# Altium PCB C210.PcbDoc (part 6 of 8)
Units mm, origin at the board's own origin, x right, y up, seen from the top; angles counter-clockwise.
Board outline 68 x 129.25 mm, 6 copper layers (L1, L2, L3, L4, L5, L6), stack 1.547 mm thick; 512 components, 298 nets, 1774 pads, 1892 vias.
Unrouted connection lines stored in the file: 306.
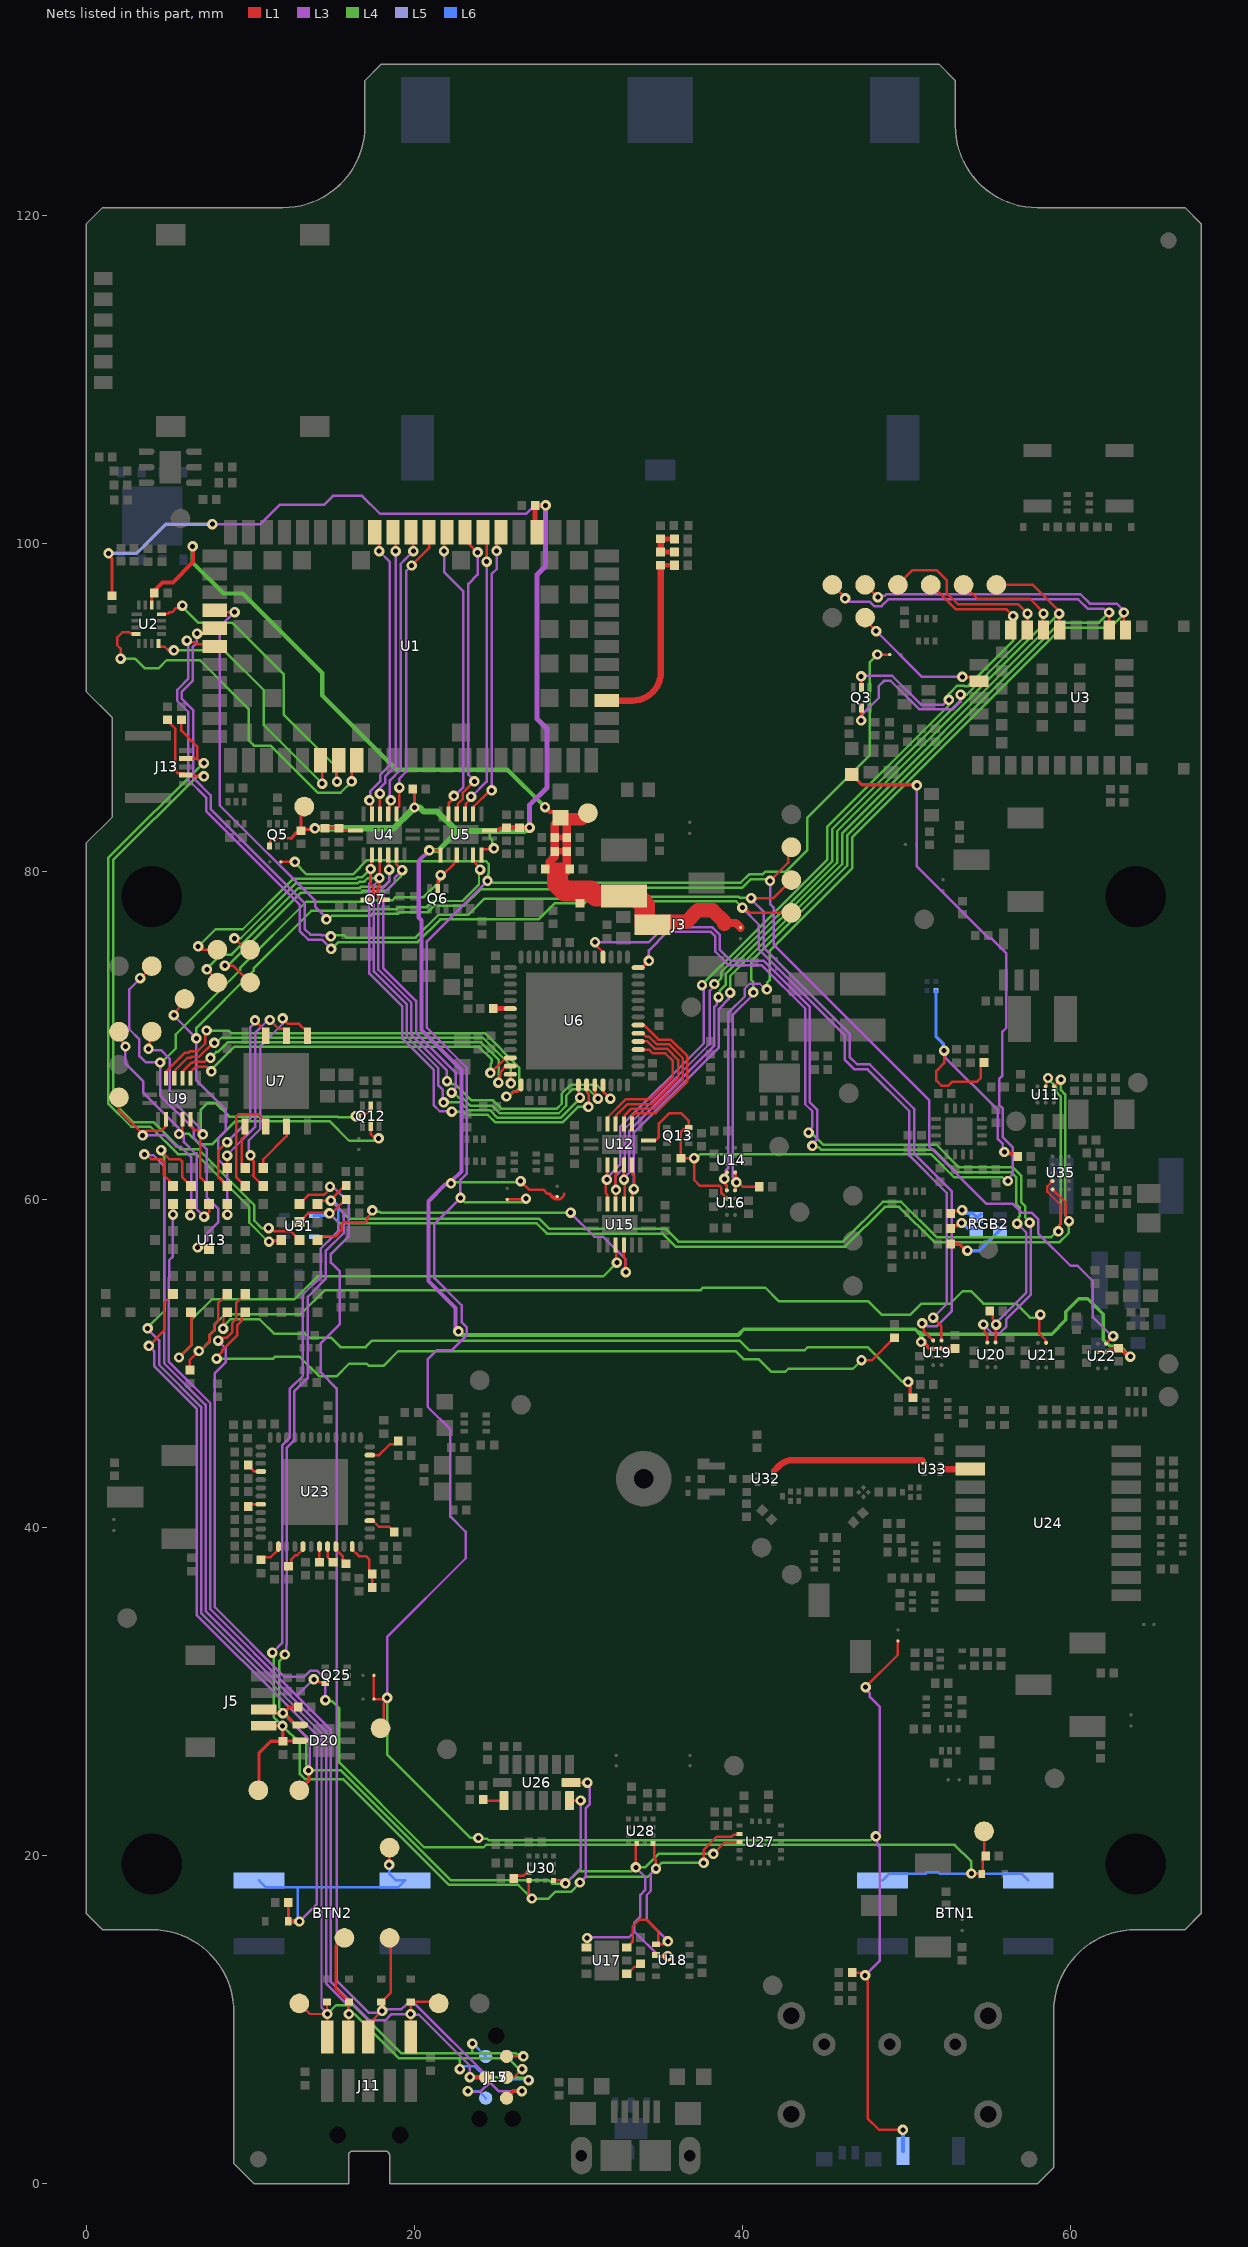
[diagram p10: the nets of this part, all layers, seen from the top]

## Via types
v1: diameter 0.635, hole 0.305, L1 to L6, tented both sides, 1892 vias

## Nets (pads, with @x,y where several pads share a name; then routed paths per layer and width w, separated by ;. In a path a pad name is that pad's centre, name@x,y a point inside that pad or via, vN(x,y) a via of type N, cw(c..) or ccw(c..) an arc to the next point about the centre after c; other vN are vias at no path point) (continued)
NetR62_2: R62.2 RGB2.1 | length 2.2
  L1 w0.203: R62.2@52.719,59.175 52.869,59.325 53.362,59.325 v1(53.412,59.375)
  L6 w0.203: v1(53.412,59.375) 53.612,59.175 54.06,59.175 54.31,58.925 54.371,58.925 RGB2.1@54.563,59.117
NetR64_2: R64.2 RGB2.2 | length 2.2
  L1 w0.203: R64.2@52.719,58.26 52.884,58.425 53.358,58.425 53.451,58.518 v1(53.38,58.588)
  L6 w0.203: v1(53.38,58.588) 53.428,58.588 53.758,58.258 RGB2.2@54.554,58.258
NetR66_2: R66.2 RGB2.3 | length 3.7
  L1 w0.203: R66.2@52.719,57.295 53.283,57.295 53.674,56.904 v1(53.734,56.904)
  L6 w0.203: v1(53.734,56.904) 54.454,56.904 RGB2.3@55.762,58.212
NetR67_1: R67.1 U13.E9 | length 47.6
  L1 w0.152: v1(7.96,50.315) 7.96,50.394 8.307,50.741 8.307,50.849 9.225,51.767 9.225,52.365 9.476,52.616 9.476,52.926 U13.E9@9.7,53.15 ; v1(47.279,50.221) 47.906,50.221 49.285,51.6 R67.1@49.3,51.6
  L4 w0.152: v1(7.96,50.315) 11.404,50.315 11.514,50.425 12.75,50.425 13.025,50.425 14.22,49.23 15.255,49.23 16.042,50.017 17.103,50.017 17.241,49.879 18.129,49.879 19.032,50.782 39.597,50.782 40.105,50.274 41.022,50.274 41.784,49.512 42.621,49.512 42.81,49.701 46.758,49.701 v1(47.279,50.221)
NetR69_2: R69.2 U6.46 U20.A2 | length 51.4
  L1 w0.152: v1(31.03,75.711) 31.03,75.581 31.514,75.098 U6.46@31.514,74.808 ; R69.2@55.103,53.225 55.287,53.041 55.287,52.715 55.485,52.517 v1(55.485,52.386) 55.467,52.368 55.467,51.317 U20.A2@55.45,51.3
  L3 w0.152: v1(31.03,75.711) 34.309,75.711 35.228,76.63 38.174,76.63 38.643,76.162 38.643,75.241 39.309,74.575 41.324,74.575 44.128,71.772 44.128,65.947 44.57,65.505 44.57,63.686 44.279,63.396 v1(44.279,63.291) ; v1(55.485,52.386) 55.485,52.503 57.33,54.348 57.33,57.994 56.769,58.555 v1(56.766,58.555)
  L4 w0.152: v1(44.279,63.291) 44.372,63.199 44.686,63.199 44.835,63.05 51.688,63.05 53.044,61.694 56.393,61.694 56.725,61.361 56.725,59.733 56.913,59.546 56.913,59.002 56.858,58.948 56.858,58.648 v1(56.766,58.555)
NetR73_1: R73.1 U23.33 | length 1.2
  L1 w0.152: U23.33@15.225,38.862 15.225,38.687 15.656,38.256 15.656,38.093 15.84,37.909 R73.1@15.855,37.909
NetR74_2: R74.2 U6.6 | length 1
  L1 w0.305: R74.2@24.835,71.658 U6.6@25.864,71.658
NetR77_1: R77.1 U17.4 | length 1.1
  L1 w0.152: U17.4@32.964,12.813 33.014,12.813 33.442,13.241 33.619,13.241 R77.1@33.803,13.425
NetR83_2: R83.2 U13.F9 | length 46.4
  L1 w0.152: v1(8.351,52.142) 8.376,52.167 8.376,52.926 U13.F9@8.6,53.15
  L1 w0.203: v1(50.125,48.9) 50.25,48.775 50.25,48.079 50.263,48.079 R83.2@50.413,47.929
  L4 w0.152: v1(8.351,52.142) 8.351,52.272 8.8,52.721 10.579,52.721 11.457,51.843 13.331,51.843 13.578,51.596 14.927,51.596 15.499,51.024 17.042,51.024 17.43,51.412 39.851,51.412 40.43,50.833 43.816,50.833 44.004,51.022 47.653,51.022 49.775,48.9 v1(50.125,48.9)
NetR87_1: R87.1 R92.1 RT2.1 | length 18.6
  L1 w0.152: v1(52.318,69.095) 52.319,68.343 51.84,67.865 51.84,67.27 52.142,66.968 52.58,66.968 52.818,67.206 54.328,67.206 54.551,67.429 54.551,68.187 54.735,68.371 R87.1@54.75,68.371
  L1 w0.203: v1(55.993,62.917) 56.11,62.917 56.222,62.804 56.651,62.804 56.653,62.803 56.653,62.797 R92.1@56.81,62.64
  L3 w0.152: v1(52.318,69.095) 52.382,69.032 52.382,68.69 55.597,65.475 55.597,63.703 55.9,63.4 55.9,63.01 v1(55.993,62.917)
  L6 w0.203: RT2.1@51.825,72.775 51.825,69.947 52.261,69.511 52.261,69.152 v1(52.318,69.095)
NetR89_2: R89.2 U23.47 | length 2.1
  L1 w0.152: U23.47@17.3,44.437 17.862,44.437 18.523,45.098 18.855,45.098 19.039,45.282 R89.2@19.039,45.297
NetR91_1: R91.1 U23.16 | length 0.9
  L1 w0.152: R91.1@9.875,43.825 9.875,43.81 10.22,43.465 10.622,43.465 U23.16@10.65,43.437
NetR94_2: R94.2 U23.20 | length 0.8
  L1 w0.15: R94.2@9.875,41.35 9.962,41.437 U23.20@10.65,41.437
NetR95_2: R95.2 U23.29 | length 1.6
  L1 w0.152: R95.2@12.338,37.657 12.495,37.813 12.495,38.053 12.775,38.334 12.871,38.334 13.225,38.688 U23.29@13.225,38.862
NetR99_2: R99.2 U23.26 | length 1.6
  L1 w0.152: R99.2@10.61,38.044 10.784,38.217 11.255,38.217 11.725,38.687 U23.26@11.725,38.862
NetR100_2: R100.2 R101.1 U23.35 | length 3.3
  L1 w0.152: U23.35@16.225,38.862 16.225,38.688 16.633,38.28 17.068,38.28 17.277,38.07 17.277,37.377 R100.2@17.458,37.196 ; R100.2@17.44,37.178 17.447,37.171 R101.1@17.447,36.355
NetR102_2: R102.2 U23.39 | length 1.8
  L1 w0.152: U23.39@17.3,40.437 17.475,40.437 17.84,40.072 18.466,40.072 18.789,39.749 R102.2@18.789,39.734
NetR106_1: R106.1 U23.31 | length 1
  L1 w0.152: R106.1@14.225,37.9 U23.31@14.225,38.862
NetR110_1: R110.1 U23.32 | length 1.1
  L1 w0.152: U23.32@14.725,38.862 14.725,38.212 15.028,37.909 R110.1@15.043,37.909
NetR111_1: R111.1 U26.8 | length 1
  L1 w0.152: R111.1@24.433,23.375 24.438,23.37 U26.8@25.475,23.37
NetR114_1: R114.1 U30.12 | length 1.1
  L1 w0.152: R114.1@26.075,18.625 26.25,18.8 26.675,18.8 26.875,19 U30.12@27,19
NetTP9_1: TP9.1 U3.27 | length 8.7
  L1 w0.152: TP9.1@47.5,95.5 47.5,95.35 v1(48.175,94.675) ; v1(53.425,91.892) 53.425,91.875 54.2,91.875 U3.27@54.45,91.625
  L3 w0.152: v1(48.175,94.675) 50.958,91.892 v1(53.425,91.892)
NetTP13_1: TP13.1 U1.26 U19.D2 | length 88.5
  L1 w0.152: v1(6.77,94.526) 7.526,94.526 U1.26@7.85,94.85 ; v1(40.55,78.4) 41.9,78.4 TP13.1@43,79.5 ; v1(50.973,52.468) 51.066,52.376 51.066,52.009 U19.D2@51.65,51.425
  L3 w0.152: v1(6.77,94.526) 6.748,94.504 6.748,93.952 6.496,93.7 6.496,91.644 5.836,90.984 5.836,90.55 6.54,89.845 6.54,85.722 7.591,84.671 7.591,83.824 13.343,78.072 13.343,76.496 13.669,76.17 14.299,76.17 14.325,76.144 14.838,76.144 v1(14.921,76.06) ; v1(40.55,78.4) 40.55,78.331 41.33,77.551 41.33,75.36 46.555,70.135 46.555,68.72 47.007,68.268 47.769,68.268 50.481,65.556 50.481,62.818 52.795,60.504 52.795,53.225 51.85,52.28 51.724,52.28 ; v1(50.973,52.468) 51.104,52.468 51.291,52.281 51.723,52.281
  L4 w0.152: v1(14.921,76.06) 15.009,76.148 15.721,76.148 15.873,75.996 20.093,75.996 21.482,77.385 23.31,77.385 24.299,78.374 30.278,78.374 30.387,78.484 39.8,78.484 39.854,78.43 40.52,78.43 v1(40.55,78.4)
NetTP14_1: TP14.1 U1.27 U19.D1 | length 87.7
  L1 w0.152: v1(6.138,94.1) 6.231,94.008 6.628,94.008 6.761,93.875 7.225,93.875 7.6,93.5 U1.27@7.85,93.75 ; v1(40.016,77.821) 40.146,77.821 40.467,77.5 TP14.1@43,77.5 ; v1(51.651,52.817) 52.15,52.318 U19.D1@52.15,51.425
  L3 w0.152: v1(6.138,94.1) 6.217,94.022 6.217,91.76 5.556,91.1 5.556,90.434 6.227,89.764 6.227,85.616 7.312,84.531 7.312,83.708 13.038,77.982 13.038,76.37 13.543,75.865 14.381,75.865 14.936,75.31 v1(14.936,75.299) ; v1(40.016,77.821) 40.016,77.784 41.025,76.775 41.025,75.269 46.25,70.044 46.25,68.57 46.86,67.961 47.645,67.961 50.202,65.404 50.202,62.702 52.476,60.428 52.476,53.642 v1(51.651,52.817)
  L4 w0.152: v1(14.936,75.299) 14.959,75.299 15.376,75.716 20.209,75.716 21.598,77.105 23.403,77.105 23.404,77.107 27.592,77.107 28.58,78.095 30.393,78.095 30.503,78.204 39.633,78.204 v1(40.016,77.821)
NetTP20_1: TP20.1 U4.5 U6.25 | length 44.1
  L1 w0.152: v1(7.358,74.05) 7.837,73.571 8,73.571 TP20.1@8,73.25 ; U4.5@18.422,81.025 18.449,80.999 18.449,80.154 v1(18.475,80.128) ; U6.25@31.514,67.008 31.542,66.979 31.542,66.588 v1(31.965,66.165)
  L3 w0.152: v1(18.475,80.128) 18.475,79.423 17.825,78.774 17.825,74.031 19.838,72.019 19.838,70.061 22.002,67.898 v1(22.002,67.244)
  L4 w0.152: v1(7.358,74.05) 7.358,74.1 8.212,74.954 8.874,74.954 12.932,79.012 16.67,79.012 16.76,79.102 18.182,79.102 18.475,79.395 v1(18.475,80.128) ; v1(22.002,67.244) 22.132,67.244 22.322,67.054 22.5,67.054 23.486,66.068 24.814,66.068 25.324,65.558 28.699,65.558 29,65.858 29,66.475 29.553,67.028 31.102,67.028 v1(31.965,66.165)
NetTP21_1: TP21.1 U4.6 U6.24 | length 44.1
  L1 w0.15: v1(8.457,74.283) 8.967,74.283 TP21.1@10,73.25 ; U6.24@31.014,67.008 31.042,66.979 31.042,66.457 31.203,66.296 v1(31.203,66.165)
  L1 w0.152: U4.6@18.922,81.025 18.922,80.453 v1(19.275,80.1)
  L3 w0.15: v1(19.275,80.1) 18.805,79.63 18.805,79.36 18.104,78.658 18.104,74.146 20.116,72.134 20.116,70.177 22.551,67.742 22.551,66.857 22.284,66.59 v1(22.284,66.533)
  L4 w0.15: v1(8.457,74.283) 8.457,74.35 8.721,74.35 13.104,78.734 16.785,78.734 16.875,78.824 18.297,78.824 19.187,79.713 19.187,80.012 v1(19.275,80.1) ; v1(22.284,66.533) 22.415,66.533 22.726,66.223 22.937,66.223 23.413,65.747 24.741,65.747 25.209,65.279 28.815,65.279 29.278,65.743 29.278,66.36 29.668,66.75 30.618,66.75 v1(31.203,66.165)
NetTP54_1: TP54.1 U1.25 U22.D1 | length 92.5
  L1 w0.15: U1.25@7.85,95.95 7.96,95.84 v1(9.056,95.84)
  L1 w0.152: v1@41.725,79.425 41.725,79.479 42.8,80.553 42.8,81.3 TP54.1@43,81.5 ; U22.D1@62.188,51.225 62.188,51.241 62.623,51.676 v1(62.623,51.693)
  L3 w0.152: v1(9.056,95.84) 9.04,95.84 8.15,94.95 8.15,84.056 13.964,78.242 13.964,77.876 14.65,77.189 v1(14.65,77.099) ; v1(41.7,79.454) 41.7,78.043 41.939,77.804 41.939,75.54 51.421,66.059 51.421,63.24 54.908,59.753 56.513,59.753 57.055,59.21 57.663,59.21 58.047,58.826 58.047,57.96 60.027,55.98 60.455,55.98 61.376,55.058 61.376,52.854 62.538,51.693 v1(62.623,51.693)
  L4 w0.152: v1(14.65,77.099) 14.754,77.099 14.981,77.325 17.347,77.325 17.453,77.43 19.03,77.43 19.143,77.543 20.85,77.543 21.251,77.944 23.055,77.944 24.045,78.933 30.046,78.933 30.156,79.043 40.013,79.043 40.533,79.563 41.269,79.563 41.286,79.546 41.608,79.546 v1(41.7,79.454)
NetU1_6: U1.6 U5.3 | length 18
  L1 w0.152: U5.3@23.597,83.525 23.646,83.574 23.646,83.999 24.618,84.971 v1(24.73,84.971) ; v1(25.025,99.575) 25.025,100.425 U1.6@25.3,100.7
  L3 w0.152: v1@24.73,84.955 24.73,98.158 25.025,98.453 v1(25.025,99.575)
NetU1_7: U1.7 U5.4 | length 17.8
  L1 w0.15: U1.7@24.2,100.7 24.424,100.476 v1(24.424,98.916)
  L1 w0.152: U5.4@23.097,83.525 23.146,83.574 23.146,84.146 23.473,84.473 v1(23.473,84.591)
  L3 w0.15: v1(23.473,84.591) 23.514,84.591 24.424,85.501 v1(24.424,98.916)
NetU1_8: U1.8 U5.5 | length 18.4
  L1 w0.152: U5.5@22.597,83.525 22.646,83.574 22.646,84.121 22.953,84.428 22.953,84.806 v1@23.66,85.514 ; U1.8@23.1,100.7 23.1,100.242 23.867,99.475 v1(23.87,99.475) ; v1@23.55,85.514 v1@23.66,85.514 ; v1(23.675,85.514) v1@23.66,85.514
  L3 w0.152: v1(23.675,85.514) 23.675,85.554 23.309,85.92 23.309,97.562 23.87,98.123 v1(23.87,99.475)
NetU1_9: U1.9 U5.6 | length 18.2
  L1 w0.152: v1(21.822,99.55) 21.822,100.522 U1.9@22,100.7 ; U5.6@22.097,83.525 22.123,83.551 22.123,84.204 22.419,84.5 v1(22.419,84.631)
  L3 w0.152: v1(21.822,99.55) 21.822,98.275 23.004,97.093 23.004,85.176 v1@22.419,84.591
NetU1_10: U1.10 U4.11 | length 18
  L1 w0.15: v1(19.85,98.678) 20.911,99.738 20.911,100.689 U1.10@20.9,100.7
  L1 w0.152: U4.11@18.922,83.525 18.922,83.85 19.099,84.027 v1(19.097,85.137) v1(19.097,85.137)
  L3 w0.15: v1(19.097,85.137) 19.097,85.684 19.522,86.109 19.522,98.35 v1(19.85,98.678)
NetU1_11: U1.11 U4.12 | length 17.9
  L1 w0.152: U4.12@18.422,83.525 18.471,83.574 18.471,84.125 18.578,84.232 v1(18.578,84.362) ; U1.11@19.8,100.7 19.947,100.553 v1(19.947,99.55)
  L3 w0.152: v1(18.578,84.362) 18.522,84.418 18.522,85.572 19.182,86.232 19.182,98.784 19.419,99.021 v1(19.947,99.55)
NetU1_12: U1.12 U4.13 | length 17.6
  L1 w0.152: v1(17.912,84.768) 17.917,84.763 17.917,83.53 U4.13@17.922,83.525 ; U1.12@18.7,100.7 18.872,100.528 v1(18.872,99.55)
  L3 w0.152: v1(17.912,84.768) 17.912,85.109 18.231,85.428 18.231,85.823 18.872,86.465 v1(18.872,99.55)
NetU1_13: U1.13 U4.14 | length 18.1
  L1 w0.152: v1(17.267,84.362) 17.267,84.231 17.373,84.124 17.373,83.574 U4.14@17.422,83.525 ; U1.13@17.6,100.7 17.872,100.428 v1(17.872,99.55)
  L3 w0.152: v1(17.267,84.362) 17.315,84.41 17.315,84.908 17.941,85.533 17.941,85.928 18.522,86.51 18.522,98.9 v1(17.872,99.55)
NetU1_56: U1.56 Z4.2 Z6.1 | length 12.1
  L1 w0.3: Z4.2@35.047,98.695 Z6.1@35.875,98.695
  L1 w0.391: U1.56@31.3,90.436 33.298,90.436 ccw(c33.298,92.185) 35.047,92.185 Z4.2@35.047,98.695
NetU6_12: U6.12 U9.3 | length 22.5
  L1 w0.152: U9.3@6.375,67.408 6.375,67.806 6.521,67.953 6.679,68.11 7.358,68.11 v1(7.637,67.831) ; v1(24.646,67.738) 24.669,67.738 25.589,68.658 U6.12@25.864,68.658
  L4 w0.152: v1(7.637,67.831) 7.637,67.936 9.026,69.325 23.965,69.325 24.741,68.549 24.741,68.362 24.664,68.286 24.664,67.756 v1(24.646,67.738)
NetU6_13: U6.13 U9.4 | length 23.7
  L1 w0.152: U9.4@5.875,67.408 5.875,67.825 6.413,68.363 6.5,68.363 6.552,68.415 7.213,68.415 7.453,68.656 v1(7.584,68.656) ; v1(25.139,67.147) 25.231,67.239 25.231,67.588 25.26,67.618 25.26,67.804 ; 25.261,67.805 25.614,68.158 U6.13@25.864,68.158
  L4 w0.152: v1(7.584,68.656) 7.584,68.662 7.942,69.019 8.04,69.019 8.625,69.604 24.08,69.604 25.166,68.518 25.166,67.175 v1(25.139,67.147)
NetU6_14: U6.14 U9.5 | length 24.2
  L1 w0.15: U6.14@25.864,67.658 25.899,67.622 v1(25.899,67.1)
  L1 w0.152: U9.5@5.375,67.408 5.375,67.847 6.195,68.668 6.374,68.668 6.432,68.725 6.881,68.725 7.725,69.569 v1(7.817,69.569)
  L4 w0.152: v1(7.817,69.569) 7.948,69.569 8.263,69.884 24.196,69.884 25.903,68.177 25.903,67.104 v1(25.899,67.1)
NetU6_15: U6.15 U9.6 | length 27.9
  L1 w0.152: U9.6@4.875,67.408 4.875,67.818 6.03,68.972 6.248,68.972 6.326,69.05 6.775,69.05 7.271,69.546 7.271,70.229 7.262,70.238 v1(7.351,70.327) ; v1(25.622,66.304) 25.753,66.304 26.032,66.583 26.118,66.583 26.134,66.599 26.315,66.599 26.514,66.798 U6.15@26.514,67.008
  L4 w0.152: v1(7.351,70.327) 7.36,70.319 8.695,70.319 8.85,70.163 24.312,70.163 26.423,68.052 26.423,66.825 26.182,66.583 26.032,66.583 25.753,66.304 v1(25.622,66.304)
NetU6_32: U6.32 U12.14 | length 8.8
  L1 w0.152: U12.14@31.786,64.631 31.835,64.679 31.835,65.065 32.892,66.122 34.388,66.122 35.774,67.508 35.774,68.46 35.297,68.937 34.547,68.937 34.326,69.158 U6.32@33.664,69.158
NetU6_33: U6.33 U12.13 | length 9.3
  L1 w0.152: U12.13@32.286,64.631 32.335,64.679 32.335,65.17 33.008,65.843 34.503,65.843 36.098,67.437 36.098,68.531 35.412,69.216 34.662,69.216 34.221,69.658 U6.33@33.664,69.658
NetU6_34: U6.34 U12.12 | length 9.6
  L1 w0.152: U12.12@32.786,64.631 32.835,64.679 32.835,65.149 33.249,65.563 34.619,65.563 36.377,67.321 36.377,68.647 35.528,69.496 34.778,69.496 34.337,69.937 34.174,69.937 33.954,70.158 U6.34@33.664,70.158
NetU6_35: U6.35 U12.11 | length 10
  L1 w0.152: U12.11@33.286,64.631 33.335,64.679 33.335,65.15 33.469,65.284 34.735,65.284 36.656,67.206 36.656,68.763 35.644,69.775 34.894,69.775 34.04,70.629 33.692,70.629 U6.35@33.664,70.658
NetU6_42: U6.42 U20.A1 | length 48.9
  L1 w0.152: U6.42@33.664,74.158 33.893,74.158 v1(34.31,74.575) ; v1(54.713,52.399) 54.806,52.307 54.806,51.921 54.95,51.777 U20.A1@54.95,51.3
  L3 w0.152: v1(34.31,74.575) 34.31,75.215 35.446,76.351 38.059,76.351 38.364,76.046 38.364,75.125 39.193,74.296 41.209,74.296 43.848,71.656 43.848,65.831 44.278,65.402 44.278,64.439 44.049,64.21 v1(44.049,64.1) ; v1(54.713,52.399) 55.247,51.865 55.701,51.865 56.09,52.254 56.09,52.712 57.61,54.232 57.61,58.524 v1(57.526,58.608)
  L4 w0.152: v1(44.049,64.1) 44.18,64.1 44.334,63.945 44.362,63.945 44.938,63.369 51.833,63.369 53.229,61.973 56.508,61.973 57.004,61.477 57.004,60.391 57.004,59.868 57.25,59.622 57.25,58.938 57.526,58.662 v1(57.526,58.608)
NetU24_11: U24.11 U33.5 | length 1.8
  L1 w0.152: U33.5@52.064,43.583 52.468,43.583
  L1 w0.391: 52.468,43.583 U24.11@53.91,43.583
NetU32_3: U32.3 U33.1 | length 9.3
  L1 w0.391: 41.95,43.475 42.277,43.802 cw(c43.057,43.021) 43.057,44.125 50.95,44.125 cw(c50.95,44.05) 51.025,44.05
NetZ1_1: Z1.1 Z3.2 Z4.1 Z5.1 | length 2.5
  L1 w0.305: Z4.1@35.047,99.505 Z5.1@35.875,99.505 ; Z1.1@35.047,100.3 Z3.2@35.875,100.3
  L1 w0.391: Z4.1@35.047,99.505 Z1.1@35.047,100.3
NFC1: C134.2 J13.2 U13.C5 | length 41.9
  L1 w0.152: C134.2@5.803,89.275 5.803,88.609 6.767,87.645 6.767,86.9 ; J13.2@6.1,86.9 6.767,86.9 ; v1(7.176,86.622) 7.045,86.622 6.767,86.9
  L1 w0.203: v1(11.15,57.446) 11.202,57.498 11.702,57.498 11.754,57.446 11.754,57.404 U13.C5@11.9,57.55
  L4 w0.152: v1@7.149,86.649 1.345,80.845 1.345,65.865 2.753,64.458 3.921,64.458 5.592,62.787 6.717,62.787 9.945,59.559 9.945,58.608 11.107,57.446 v1(11.15,57.446)
NFC2: C133.1 J13.4 U13.B5 | length 43
  L1 w0.152: C133.1@4.975,89.275 4.99,89.275 5.173,89.091 5.173,88.994 5.441,88.726 5.441,86.172 5.614,85.999 6.001,85.999 6.138,85.862 7.137,85.862 v1(7.176,85.823) ; v1(11.126,58.279) 11.256,58.279 11.435,58.1 12.45,58.1 U13.B5@13,57.55
  L4 w0.152: v1(7.176,85.823) 6.754,85.823 1.65,80.719 1.65,65.956 2.869,64.737 4.112,64.737 5.749,63.1 6.835,63.1 10.25,59.685 10.25,58.735 10.706,58.279 v1(11.126,58.279)
NINA_COM_CTRL: D4.1 Q13.3 R52.2 U12.9 U16.C2 | length 62.5
  L1 w0.152: U12.9@34.286,63.631 34.731,63.631 34.928,63.828 34.928,64.658 35.544,65.275 36.292,65.275 36.75,64.817 Q13.3@36.75,64.423 36.676,64.349 36.478,64.349 36.268,64.139 R52.2@36.268,62.54 36.27,62.539 v1(37.073,62.539) ; v1@37.095,62.517 37.095,61.194 37.432,60.856 38.621,60.856 38.74,60.737 38.74,60.407 U16.C2@39.066,60.081
  L1 w0.203: D4.1@46.685,85.925 47.29,85.32 50.656,85.32 v1(50.656,85.278)
  L3 w0.152: v1(50.656,85.278) 50.656,80.333 55.047,75.942 55.195,75.942 56.118,75.019 56.118,70.493 55.854,70.23 55.854,67.549 55.67,67.364 55.67,65.797 55.877,65.59 55.877,63.834 56.513,63.197 56.513,61.594 56.2,61.281 v1(56.2,61.15)
  L4 w0.152: v1(37.073,62.539) 37.204,62.539 37.457,62.791 42.007,62.791 42.028,62.771 51.536,62.771 52.926,61.381 55.869,61.381 56.1,61.15 v1(56.2,61.15)
NINA_CTS: TP6.1 U3.21 U12.5 U15.4 | length 54.2
  L1 w0.152: U15.4@32.786,59.742 32.83,59.786 32.83,61.2 v1(32.797,61.232) 32.792,61.238 32.792,62.125 U12.5@32.786,62.131 ; TP6.1@53.5,97.5 54.35,96.65 57.55,96.65 58.375,95.825 v1(58.375,95.745) U3.21@58.375,94.75 U3.21@58.375,94.739
  L3 w0.152: v1(32.797,61.232) 32.797,61.358 33.121,61.682 33.121,64.218 38.305,69.403 38.305,71.764 38.464,71.923 38.464,72.264 v1(38.556,72.356)
  L4 w0.152: v1(38.556,72.356) 38.642,72.442 38.642,72.754 38.996,73.107 38.996,73.762 45.786,80.552 45.786,82.474 58.32,95.008 58.32,95.69 v1(58.375,95.745)
NINA_DSR: R48.2 TP2.1 U3.17 U14.D2 U16.D1 | length 67.6
  L1 w0.152: U16.D1@39.566,60.581 39.584,60.598 39.584,60.838 39.743,60.996 v1@39.743,61.063 ; U14.D2@39.579,61.675 39.596,61.657 39.596,61.403 39.743,61.257 v1@39.743,61.063 ; v1(39.648,61.063) v1@39.743,61.063 ; R48.2@41.05,60.798 40.043,60.798 39.778,61.063 v1@39.743,61.063 ; TP2.1@45.5,97.5 46.275,96.725 v1(46.275,96.675) ; U3.17@62.375,94.75 v1(62.375,95.815)
  L3 w0.152: v1(39.648,61.063) 39.648,61.184 39.423,61.409 39.423,71.271 40.678,72.527 v1(40.678,72.658) ; v1(46.275,96.675) 46.475,96.475 47.778,96.475 48.049,96.204 48.501,96.204 48.918,96.621 60.49,96.621 61.061,96.05 62.044,96.05 62.28,95.815 v1(62.375,95.815)
  L4 w0.152: v1(40.678,72.658) 40.678,73.286 40.548,73.417 40.548,74.524 46.395,80.371 46.395,82.221 59.373,95.199 61.76,95.199 v1(62.375,95.815)
NINA_DTR: TP3.1 U3.16 U14.D1 U16.D2 | length 66.5
  L1 w0.152: v1@38.9,61.137 38.9,61.267 39.061,61.428 39.061,61.657 U14.D1@39.079,61.675 ; v1@38.921,61.137 38.921,61.006 39.049,60.878 39.049,60.598 U16.D2@39.066,60.581 ; TP3.1@47.5,97.5 48.25,96.75 v1(48.275,96.75) ; v1(63.279,95.815) 63.279,94.846 U3.16@63.375,94.75
  L3 w0.152: v1(38.917,61.284) 39.009,61.377 39.009,61.804 39.143,61.938 39.143,71.387 40.158,72.401 40.158,72.873 40.463,73.178 41.073,73.178 41.414,72.837 v1(41.504,72.837) ; v1(48.275,96.75) 48.367,96.842 48.709,96.842 48.792,96.926 60.624,96.926 61.2,96.35 62.84,96.35 63.279,95.91 v1(63.279,95.815)
  L4 w0.152: v1(41.504,72.837) 41.542,72.875 41.542,73.267 41.67,73.395 41.67,75.181 46.7,80.211 46.7,82.095 59.5,94.894 62.455,94.894 63.279,95.719 v1(63.279,95.815)
NINA_RTS: TP7.1 U3.20 U12.6 U15.3 | length 54.1
  L1 w0.152: U15.3@33.286,59.742 33.286,60.58 33.297,60.59 33.385,60.59 33.38,60.596 33.41,60.626 33.41,61.455 33.286,61.579 U12.6@33.286,62.131 ; TP7.1@55.5,97.5 57.728,97.5 59.325,95.903 v1(59.325,95.745) 59.325,94.886 59.277,94.837 U3.20@59.378,94.736
  L3 w0.152: v1@33.4,60.61 33.4,64.102 38.585,69.287 38.585,71.648 39.172,72.236 39.172,72.548 v1(39.264,72.64)
  L4 w0.152: v1(39.264,72.64) 39.275,72.65 39.275,73.646 46.09,80.462 46.09,82.347 58.625,94.882 58.625,95.045 v1(59.325,95.745)